# KiCad board temp sensor_panel.kicad_pcb (continued)
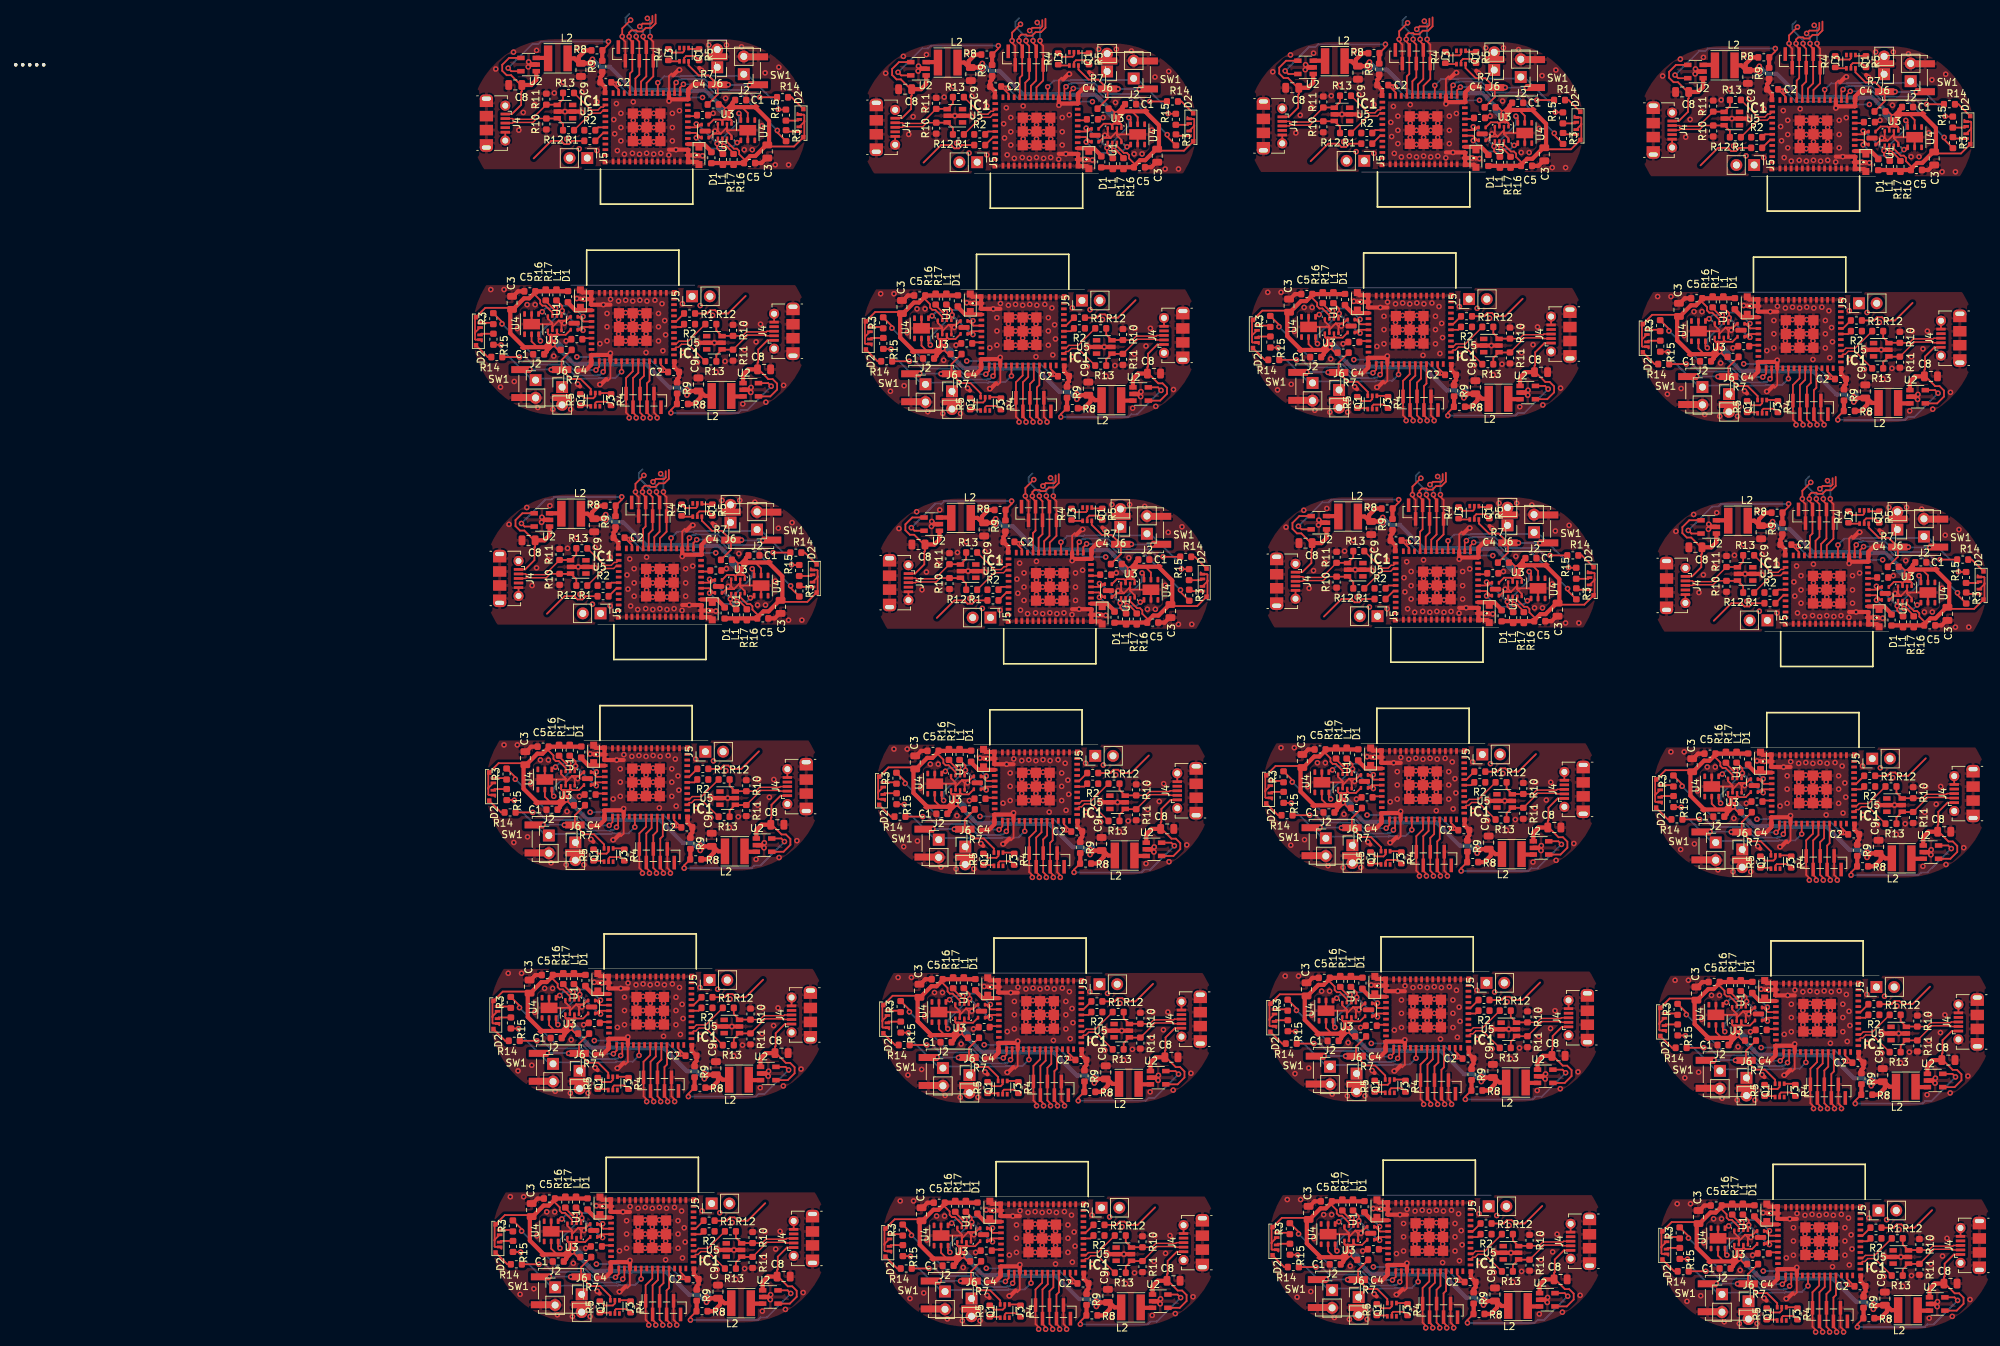
[diagram p0: board, top side]
## Routing (per net, layer and track width the routed paths; a pad name or vN(x,y) marks a point on that pad's centre or on a via; arc(x,y) is an arc through that point) (continued)
  Bottom w0.25: 64.38,168.37 v1(64.38,168.25) ; 175.58,167.97 v1(175.58,167.85) ; 119.78,168.57 v1(119.78,168.45) ; 66.28,103.17 v1(66.28,103.05) ; 177.48,102.77 v1(177.48,102.65) ; 121.68,103.37 v1(121.68,103.25) ; 10.48,103.77 v1(10.48,103.65) ; 8.58,168.97 v1(8.58,168.85)
  vias: v1(-11.43,130.26) v1(-10.72,161.84) v1(-10.03,116.3) v1(-9.53,130.26) v1(-9.53,65.06) v1(-8.93,32.37) v1(-8.82,96.64) v1(-8.63,0.37) v1(-8.18,164.26) v1(-8.07,117.1) v1(-8.13,51.09) v1(-7.62,124.68) v1(-7.63,65.06) v1(-7.53,18.4) v1(-7.41,153.08) v1(-7.23,-13.6) v1(-7.03,32.37) v1(-6.78,155.62) v1(-6.73,0.37) v1(-6.28,99.06) v1(-6.22,128.11) v1(-6.17,51.9) v1(-5.72,59.48) v1(-5.57,19.2) v1(-5.51,87.88) v1(-5.27,-12.8) v1(-5.26,153.08) v1(-5.13,156.76) v1(-5.08,128.11) v1(-5.12,26.78) v1(-4.87,164.51) v1(-4.88,90.42) v1(-4.82,-5.22) v1(-4.7,113.37) v1(-4.32,62.91) v1(-3.72,30.21) v1(-3.42,-1.79) v1(-3.36,87.88) v1(-3.23,91.56) v1(-3.18,62.91) v1(-2.97,99.31) v1(-2.8,48.17) v1(-2.58,30.21) v1(-2.54,113.12) v1(-2.41,120.74) v1(-2.33,158.41) v1(-2.28,-1.79) v1(-2.2,15.47) v1(-1.9,-16.53) v1(-1.06,159.94) v1(-0.81,155.75) v1(-0.64,122.9) v1(-0.64,47.92) v1(-0.56,151.81) v1(-0.51,55.54) v1(-0.43,93.21) v1(0,113.12) v1(-0.04,15.22) v1(0.09,22.84) v1(0.26,-16.78) v1(0.39,-9.16) v1(0.89,128.97) v1(0.84,94.74) v1(0.97,164.76) v1(1.09,90.55) v1(1.26,57.7) v1(1.34,86.61) v1(1.6,158.54) v1(1.9,47.92) v1(1.86,25) v1(2.16,-7) v1(2.5,15.22) v1(2.79,63.77) v1(2.8,-16.78) v1(2.87,99.56) v1(3.39,31.07) v1(3.5,93.34) v1(3.69,-0.93) v1(3.76,157.14) v1(3.76,150.16) v1(4.19,122.52) v1(5.21,126.84) v1(5.21,124.93) v1(5.21,122.9) v1(5.71,128.87) v1(5.66,91.94) v1(5.66,84.96) v1(6.09,57.32) v1(6.17,154.6) v1(6.3,152.57) v1(6.56,156.89) v1(6.68,150.16) v1(6.69,24.62) v1(6.86,128.61) v1(6.86,125.95) v1(6.86,123.91) v1(6.99,-7.38) v1(7.11,61.64) v1(7.11,59.73) v1(7.11,57.7) v1(7.19,155.49) v1(7.19,153.46) v1(7.19,151.56) v1(7.61,63.67) v1(7.7,149.65) v1(7.71,28.94) v1(7.71,27.03) v1(7.71,25) v1(7.87,128.74) v1(7.87,126.96) v1(7.87,124.93) v1(7.87,122.9) v1(8.01,-3.06) v1(8.01,-4.97) v1(8.01,-7) v1(8.07,89.4) v1(8.2,87.37) v1(8.21,30.97) v1(8.46,91.69) v1(8.51,-1.03) v1(8.58,84.96) v1(8.76,63.41) v1(8.76,60.75) v1(8.76,58.72) v1(8.84,149.78) v1(8.89,128.61) v1(8.89,125.95) v1(8.89,123.91) v1(8.97,157.14) v1(8.97,154.48) v1(8.97,152.44) v1(9.09,90.29) v1(9.09,88.26) v1(9.09,86.36) v1(9.36,30.71) v1(9.36,28.05) v1(9.36,26.01) v1(9.6,84.45) v1(9.66,-1.29) v1(9.66,-3.95) v1(9.66,-5.99) v1(9.77,63.54) v1(9.77,61.76) v1(9.77,59.73) v1(9.77,57.7) v1(9.86,155.49) v1(9.86,153.46) v1(9.86,151.43) v1(9.86,149.65) v1(9.91,128.74) v1(9.91,126.96) v1(9.91,124.93) v1(9.91,122.9) v1(10.37,30.84) v1(10.37,29.06) v1(10.37,27.03) v1(10.37,25) v1(10.67,-1.16) v1(10.67,-2.94) v1(10.67,-4.97) v1(10.67,-7) v1(10.79,125.95) v1(10.79,123.91) v1(10.79,121.25) v1(10.74,84.58) v1(10.79,63.41) v1(10.79,60.75) v1(10.79,58.72) v1(10.87,154.48) v1(10.87,152.44) v1(10.87,149.78) v1(10.92,128.61) v1(10.87,91.94) v1(10.87,89.28) v1(10.87,87.25) v1(11.39,30.71) v1(11.39,28.05) v1(11.39,26.01) v1(11.69,-1.29) v1(11.69,-3.95) v1(11.69,-5.99) v1(11.76,90.29) v1(11.76,88.26) v1(11.76,86.23) v1(11.76,84.45) v1(11.81,63.54) v1(11.81,61.76) v1(11.81,59.73) v1(11.81,57.7) v1(11.89,155.49) v1(11.89,153.46) v1(11.89,151.43) v1(11.89,149.65) v1(12.06,128.74) v1(12.38,111.9) v1(12.41,30.84) v1(12.41,29.06) v1(12.41,27.03) v1(12.41,25) v1(12.57,126.84) v1(12.57,124.93) v1(12.57,122.9) v1(12.69,60.75) v1(12.69,58.72) v1(12.69,56.05) v1(12.71,-1.16) v1(12.71,-2.94) v1(12.71,-4.97) v1(12.71,-7) v1(12.77,89.28) v1(12.77,87.25) v1(12.77,84.58) v1(12.82,63.41) v1(12.91,154.48) v1(12.91,152.44) v1(12.91,149.78) v1(13.08,128.23) v1(13.21,121.5) v1(13.29,28.05) v1(13.29,26.01) v1(13.29,23.35) v1(13.42,30.71) v1(13.46,125.82) v1(13.59,123.79) v1(13.59,-3.95) v1(13.59,-5.99) v1(13.59,-8.65) v1(13.72,-1.29) v1(13.79,90.29) v1(13.79,88.26) v1(13.79,86.23) v1(13.79,84.45) v1(13.96,63.54) v1(14.05,149.52) v1(14.28,46.7) v1(14.47,61.64) v1(14.47,59.73) v1(14.47,57.7) v1(14.56,155.49) v1(14.56,153.46) v1(14.56,151.56) v1(14.56,30.84) v1(14.81,89.28) v1(14.81,87.25) v1(14.81,84.58) v1(14.88,14) v1(14.86,-1.16) v1(14.98,63.03) v1(15.11,56.3) v1(15.07,28.94) v1(15.07,27.03) v1(15.07,25) v1(15.18,-18) v1(15.36,60.62) v1(15.37,-3.06) v1(15.37,-4.97) v1(15.37,-7) v1(15.49,58.59) v1(15.57,155.87) v1(15.58,30.33) v1(15.71,23.6) v1(15.88,-1.67) v1(16,128.23) v1(16,121.25) v1(15.95,84.32) v1(15.96,27.92) v1(16.01,-8.4) v1(16.09,25.89) v1(16.26,-4.08) v1(16.39,-6.11) v1(16.46,90.29) v1(16.46,88.26) v1(16.46,86.36) v1(17.47,90.67) v1(17.9,63.03) v1(17.9,56.05) v1(18.16,119.85) v1(18.5,30.33) v1(18.5,23.35) v1(18.8,113.63) v1(18.8,-1.67) v1(18.8,-8.65) v1(18.88,149.42) v1(19.76,165.27) v1(20.06,54.65) v1(20.32,126.58) v1(20.4,155.49) v1(20.57,122.64) v1(20.7,48.43) v1(20.66,21.95) v1(20.83,118.45) v1(20.77,84.22) v1(20.96,-10.05) v1(21.3,15.73) v1(21.6,-16.27) v1(21.66,100.07) v1(22.1,119.98) v1(22.18,157.65) v1(22.22,61.38) v1(22.3,165.27) v1(22.3,90.29) v1(22.47,57.44) v1(22.73,53.25) v1(22.82,28.68) v1(23.07,24.75) v1(23.12,-3.32) v1(23.33,20.55) v1(23.37,-7.25) v1(23.63,-11.45) v1(24,54.78) v1(24.08,92.45) v1(24.2,100.07) v1(24.46,165.02) v1(24.6,22.08) v1(24.64,113.88) v1(24.84,150.29) v1(24.89,121.63) v1(24.9,-9.92) v1(25.02,125.31) v1(25.99,150.29) v1(26.36,99.82) v1(26.54,122.77) v1(26.54,48.68) v1(26.74,85.09) v1(26.79,56.43) v1(26.92,60.11) v1(27.18,125.31) v1(27.14,15.98) v1(27.38,153.72) v1(27.39,23.73) v1(27.52,27.41) v1(27.44,-16.02) v1(27.69,-8.27) v1(27.83,161.3) v1(27.82,-4.59) v1(27.89,85.09) v1(27.94,114.14) v1(28.44,57.57) v1(29.08,60.11) v1(29.04,24.87) v1(29.29,148.13) v1(29.28,88.52) v1(29.34,-7.13) v1(29.68,27.41) v1(29.8,162.1) v1(29.73,96.1) v1(29.84,48.94) v1(29.98,-4.59) v1(30.48,116.55) v1(30.44,16.24) v1(30.74,-15.76) v1(31.19,148.13) v1(31.19,82.93) v1(31.7,96.9) v1(32.38,51.35) v1(32.98,18.65) v1(33.09,82.93) v1(33.28,-13.35) v1(44.37,129.66) v1(45.08,161.24) v1(45.77,115.69) v1(46.27,129.66) v1(46.27,64.47) v1(46.87,31.76) v1(46.98,96.04) v1(47.17,-0.24) v1(47.62,163.66) v1(47.67,50.5) v1(47.73,116.5) v1(48.18,124.08) v1(48.17,64.47) v1(48.27,17.79) v1(48.39,152.48) v1(48.57,-14.21) v1(48.77,31.76) v1(49.02,155.02) v1(49.08,-0.24) v1(49.52,98.46) v1(49.58,127.51) v1(49.63,51.3) v1(50.08,58.88) v1(50.29,87.28) v1(50.23,18.6) v1(50.55,152.48) v1(50.53,-13.4) v1(50.67,156.16) v1(50.72,127.51) v1(50.68,26.18) v1(50.93,163.91) v1(50.92,89.82) v1(50.98,-5.82) v1(51.1,112.77) v1(51.48,62.31) v1(52.08,29.61) v1(52.38,-2.39) v1(52.44,87.28) v1(52.57,90.96) v1(52.62,62.31) v1(52.83,98.71) v1(53,47.57) v1(53.22,29.61) v1(53.26,112.52) v1(53.39,120.14) v1(53.47,157.81) v1(53.52,-2.39) v1(53.6,14.87) v1(53.9,-17.13) v1(54.74,159.34) v1(54.99,155.15) v1(55.16,122.3) v1(55.16,47.32) v1(55.24,151.21) v1(55.29,54.94) v1(55.37,92.61) v1(55.8,112.52) v1(55.76,14.62) v1(55.89,22.24) v1(56.06,-17.38) v1(56.19,-9.76) v1(56.69,128.38) v1(56.64,94.14) v1(56.77,164.16) v1(56.89,89.95) v1(57.06,57.1) v1(57.14,86.01) v1(57.4,157.94) v1(57.7,47.32) v1(57.66,24.4) v1(57.97,-7.6) v1(58.3,14.62) v1(58.59,63.17) v1(58.6,-17.38) v1(58.67,98.96) v1(59.19,30.47) v1(59.3,92.74) v1(59.49,-1.53) v1(59.56,156.54) v1(59.56,149.56) v1(59.99,121.92) v1(61.01,126.24) v1(61.01,124.33) v1(61.01,122.3) v1(61.52,128.27) v1(61.46,91.34) v1(61.46,84.36) v1(61.89,56.72) v1(61.97,154) v1(62.1,151.97) v1(62.36,156.29) v1(62.48,149.56) v1(62.49,24.02) v1(62.66,128.01) v1(62.66,125.35) v1(62.66,123.31) v1(62.79,-7.98) v1(62.91,61.04) v1(62.91,59.13) v1(62.91,57.1) v1(62.99,154.89) v1(62.99,152.86) v1(62.99,150.96) v1(63.41,63.07) v1(63.5,149.05) v1(63.51,28.34) v1(63.51,26.43) v1(63.51,24.4) v1(63.67,128.14) v1(63.67,126.36) v1(63.67,124.33) v1(63.67,122.3) v1(63.81,-3.66) v1(63.81,-5.57) v1(63.81,-7.6) v1(63.88,88.8) v1(64,86.77) v1(64.02,30.37) v1(64.26,91.09) v1(64.31,-1.63) v1(64.38,84.36) v1(64.56,62.81) v1(64.56,60.15) v1(64.56,58.11) v1(64.64,149.18) v1(64.69,128.01) v1(64.69,125.35) v1(64.69,123.31) v1(64.77,156.54) v1(64.77,153.88) v1(64.77,151.84) v1(64.89,89.69) v1(64.89,87.66) v1(64.89,85.76) v1(65.16,30.11) v1(65.16,27.45) v1(65.16,25.41) v1(65.4,83.85) v1(65.46,-1.89) v1(65.46,-4.55) v1(65.46,-6.59) v1(65.57,62.94) v1(65.57,61.16) v1(65.57,59.13) v1(65.57,57.1) v1(65.66,154.89) v1(65.66,152.86) v1(65.66,150.83) v1(65.66,149.05) v1(65.71,128.14) v1(65.71,126.36) v1(65.71,124.33) v1(65.71,122.3) v1(66.17,30.24) v1(66.17,28.46) v1(66.17,26.43) v1(66.17,24.4) v1(66.47,-1.76) v1(66.47,-3.54) v1(66.47,-5.57) v1(66.47,-7.6) v1(66.59,125.35) v1(66.59,123.31) v1(66.59,120.65) v1(66.54,83.98) v1(66.59,62.81) v1(66.59,60.15) v1(66.59,58.11) v1(66.67,153.88) v1(66.67,151.84) v1(66.67,149.18) v1(66.72,128.01) v1(66.67,91.34) v1(66.67,88.68) v1(66.67,86.64) v1(67.19,30.11) v1(67.19,27.45) v1(67.19,25.41) v1(67.49,-1.89) v1(67.49,-4.55) v1(67.49,-6.59) v1(67.56,89.69) v1(67.56,87.66) v1(67.56,85.63) v1(67.56,83.85) v1(67.61,62.94) v1(67.61,61.16) v1(67.61,59.13) v1(67.61,57.1) v1(67.69,154.89) v1(67.69,152.86) v1(67.69,150.83) v1(67.69,149.05) v1(67.86,128.14) v1(68.18,111.3) v1(68.21,30.24) v1(68.21,28.46) v1(68.21,26.43) v1(68.21,24.4) v1(68.37,126.24) v1(68.37,124.33) v1(68.37,122.3) v1(68.49,60.15) v1(68.49,58.11) v1(68.49,55.45) v1(68.51,-1.76) v1(68.51,-3.54) v1(68.51,-5.57) v1(68.51,-7.6) v1(68.57,88.68) v1(68.57,86.64) v1(68.57,83.98) v1(68.62,62.81) v1(68.71,153.88) v1(68.71,151.84) v1(68.71,149.18) v1(68.88,127.63) v1(69.01,120.9) v1(69.09,27.45) v1(69.09,25.41) v1(69.09,22.75) v1(69.22,30.11) v1(69.26,125.22) v1(69.39,123.19) v1(69.39,-4.55) v1(69.39,-6.59) v1(69.39,-9.25) v1(69.52,-1.89) v1(69.59,89.69) v1(69.59,87.66) v1(69.59,85.63) v1(69.59,83.85) v1(69.77,62.94) v1(69.85,148.92) v1(70.08,46.1) v1(70.27,61.04) v1(70.27,59.13) v1(70.27,57.1) v1(70.36,154.89) v1(70.36,152.86) v1(70.36,150.96) v1(70.36,30.24) v1(70.61,88.68) v1(70.61,86.64) v1(70.61,83.98) v1(70.68,13.4) v1(70.66,-1.76) v1(70.78,62.43) v1(70.91,55.7) v1(70.87,28.34) v1(70.87,26.43) v1(70.87,24.4) v1(70.98,-18.6) v1(71.16,60.02) v1(71.17,-3.66) v1(71.17,-5.57) v1(71.17,-7.6) v1(71.29,57.99) v1(71.37,155.27) v1(71.38,29.73) v1(71.51,23) v1(71.68,-2.27) v1(71.8,127.63) v1(71.8,120.65) v1(71.75,83.72) v1(71.76,27.32) v1(71.81,-9) v1(71.89,25.29) v1(72.06,-4.68) v1(72.19,-6.71) v1(72.26,89.69) v1(72.26,87.66) v1(72.26,85.76) v1(73.27,90.07) v1(73.7,62.43) v1(73.7,55.45) v1(73.96,119.25) v1(74.3,29.73) v1(74.3,22.75) v1(74.6,113.03) v1(74.6,-2.27) v1(74.6,-9.25) v1(74.67,148.82) v1(75.56,164.67) v1(75.86,54.05) v1(76.12,125.98) v1(76.2,154.89) v1(76.37,122.04) v1(76.5,47.83) v1(76.46,21.35) v1(76.63,117.85) v1(76.58,83.62) v1(76.76,-10.65) v1(77.1,15.13) v1(77.4,-16.87) v1(77.46,99.47) v1(77.9,119.38) v1(77.98,157.05) v1(78.02,60.78) v1(78.1,164.67) v1(78.1,89.69) v1(78.27,56.84) v1(78.53,52.65) v1(78.62,28.08) v1(78.87,24.15) v1(78.92,-3.92) v1(79.13,19.95) v1(79.17,-7.85) v1(79.43,-12.05) v1(79.8,54.18) v1(79.88,91.85) v1(80,99.47) v1(80.26,164.42) v1(80.4,21.48) v1(80.44,113.28) v1(80.64,149.69) v1(80.69,121.03) v1(80.7,-10.52) v1(80.82,124.71) v1(81.79,149.69) v1(82.16,99.22) v1(82.34,122.17) v1(82.34,48.08) v1(82.54,84.49) v1(82.59,55.83) v1(82.72,59.51) v1(82.98,124.71) v1(82.94,15.38) v1(83.18,153.12) v1(83.19,23.13) v1(83.32,26.81) v1(83.24,-16.62) v1(83.49,-8.87) v1(83.63,160.7) v1(83.62,-5.19) v1(83.69,84.49) v1(83.74,113.54) v1(84.24,56.97) v1(84.88,59.51) v1(84.84,24.27) v1(85.09,147.53) v1(85.08,87.91) v1(85.14,-7.73) v1(85.48,26.81) v1(85.6,161.5) v1(85.53,95.5) v1(85.64,48.34) v1(85.78,-5.19) v1(86.28,115.95) v1(86.24,15.64) v1(86.54,-16.36) v1(86.99,147.53) v1(86.99,82.33) v1(87.5,96.3) v1(88.18,50.75) v1(88.78,18.05) v1(88.89,82.33) v1(89.08,-13.95) v1(99.77,129.87) v1(100.48,161.44) v1(101.17,115.89) v1(101.67,129.87) v1(101.67,64.66) v1(102.27,31.97) v1(102.38,96.24) v1(102.57,-0.03) v1(103.02,163.86) v1(103.13,116.7) v1(103.07,50.69) v1(103.58,124.28) v1(103.58,64.66) v1(103.67,18) v1(103.79,152.68) v1(103.97,-14) v1(104.17,31.97) v1(104.42,155.22) v1(104.48,-0.03) v1(104.92,98.66) v1(104.98,127.71) v1(105.03,51.5) v1(105.48,59.08) v1(105.63,18.8) v1(105.69,87.48) v1(105.95,152.68) v1(105.93,-13.2) v1(106.07,156.36) v1(106.12,127.71) v1(106.08,26.38) v1(106.33,164.11) v1(106.32,90.02) v1(106.38,-5.62) v1(106.5,112.97) v1(106.88,62.51) v1(107.48,29.81) v1(107.78,-2.19) v1(107.84,87.48) v1(107.97,91.16) v1(108.02,62.51) v1(108.23,98.91) v1(108.4,47.77) v1(108.62,29.81) v1(108.66,112.72) v1(108.79,120.34) v1(108.87,158.01) v1(108.92,-2.19) v1(109,15.07) v1(109.3,-16.93) v1(110.14,159.54) v1(110.39,155.35) v1(110.56,122.5) v1(110.56,47.52) v1(110.64,151.41) v1(110.69,55.14) v1(110.77,92.81) v1(111.2,112.72) v1(111.16,14.82) v1(111.29,22.44) v1(111.46,-17.18) v1(111.59,-9.56) v1(112.09,128.57) v1(112.04,94.34) v1(112.17,164.36) v1(112.29,90.15) v1(112.46,57.3) v1(112.54,86.21) v1(112.8,158.14) v1(113.1,47.52) v1(113.06,24.6) v1(113.36,-7.4) v1(113.7,14.82) v1(113.99,63.38) v1(114,-17.18) v1(114.07,99.16) v1(114.59,30.68) v1(114.7,92.94) v1(114.89,-1.32) v1(114.96,156.74) v1(114.96,149.76) v1(115.39,122.12) v1(116.41,126.44) v1(116.41,124.53) v1(116.41,122.5) v1(116.92,128.47) v1(116.86,91.54) v1(116.86,84.56) v1(117.29,56.92) v1(117.37,154.2) v1(117.5,152.17) v1(117.76,156.49) v1(117.88,149.76) v1(117.89,24.22) v1(118.06,128.21) v1(118.06,125.55) v1(118.06,123.52) v1(118.19,-7.78) v1(118.31,61.24) v1(118.31,59.33) v1(118.31,57.3) v1(118.39,155.09) v1(118.39,153.06) v1(118.39,151.16) v1(118.81,63.27) v1(118.9,149.25) v1(118.91,28.54) v1(118.91,26.63) v1(118.91,24.6) v1(119.07,128.34) v1(119.07,126.56) v1(119.07,124.53) v1(119.07,122.5) v1(119.21,-3.46) v1(119.21,-5.37) v1(119.21,-7.4) v1(119.27,89) v1(119.4,86.97) v1(119.42,30.57) v1(119.66,91.29) v1(119.71,-1.43) v1(119.78,84.56) v1(119.96,63.01) v1(119.96,60.35) v1(119.96,58.31) v1(120.04,149.38) v1(120.09,128.21) v1(120.09,125.55) v1(120.09,123.52) v1(120.17,156.74) v1(120.17,154.08) v1(120.17,152.04) v1(120.29,89.89) v1(120.29,87.86) v1(120.29,85.96) v1(120.56,30.31) v1(120.56,27.65) v1(120.56,25.62) v1(120.8,84.05) v1(120.86,-1.69) v1(120.86,-4.35) v1(120.86,-6.38) v1(120.97,63.14) v1(120.97,61.36) v1(120.97,59.33) v1(120.97,57.3) v1(121.06,155.09) v1(121.06,153.06) v1(121.06,151.03) v1(121.06,149.25) v1(121.11,128.34) v1(121.11,126.56) v1(121.11,124.53) v1(121.11,122.5) v1(121.57,30.44) v1(121.57,28.66) v1(121.57,26.63) v1(121.57,24.6) v1(121.87,-1.56) v1(121.87,-3.34) v1(121.87,-5.37) v1(121.87,-7.4) v1(121.99,125.55) v1(121.99,123.52) v1(121.99,120.85) v1(121.94,84.18) v1(121.99,63.01) v1(121.99,60.35) v1(121.99,58.31) v1(122.07,154.08) v1(122.07,152.04) v1(122.07,149.38) v1(122.12,128.21) v1(122.07,91.54) v1(122.07,88.88) v1(122.07,86.84) v1(122.59,30.31) v1(122.59,27.65) v1(122.59,25.62) v1(122.89,-1.69) v1(122.89,-4.35) v1(122.89,-6.38) v1(122.96,89.89) v1(122.96,87.86) v1(122.96,85.83) v1(122.96,84.05) v1(123.01,63.14) v1(123.01,61.36) v1(123.01,59.33) v1(123.01,57.3) v1(123.09,155.09) v1(123.09,153.06) v1(123.09,151.03) v1(123.09,149.25) v1(123.27,128.34) v1(123.58,111.5) v1(123.61,30.44) v1(123.61,28.66) v1(123.61,26.63) v1(123.61,24.6) v1(123.77,126.44) v1(123.77,124.53) v1(123.77,122.5) v1(123.89,60.35) v1(123.89,58.31) v1(123.89,55.65) v1(123.91,-1.56) v1(123.91,-3.34) v1(123.91,-5.37) v1(123.91,-7.4) v1(123.97,88.88) v1(123.97,86.84) v1(123.97,84.18) v1(124.02,63.01) v1(124.11,154.08) v1(124.11,152.04) v1(124.11,149.38) v1(124.28,127.83) v1(124.41,121.1) v1(124.49,27.65) v1(124.49,25.62) v1(124.49,22.95) v1(124.62,30.31) v1(124.66,125.42) v1(124.79,123.39) v1(124.8,-4.35) v1(124.8,-6.38) v1(124.8,-9.05) v1(124.92,-1.69) v1(124.99,89.89) v1(124.99,87.86) v1(124.99,85.83) v1(124.99,84.05) v1(125.17,63.14) v1(125.25,149.12) v1(125.48,46.3) v1(125.67,61.24) v1(125.67,59.33) v1(125.67,57.3) v1(125.76,155.09) v1(125.76,153.06) v1(125.76,151.16) v1(125.77,30.44) v1(126.01,88.88) v1(126.01,86.84) v1(126.01,84.18) v1(126.08,13.6) v1(126.06,-1.56) v1(126.18,62.63) v1(126.31,55.9) v1(126.27,28.54) v1(126.27,26.63) v1(126.27,24.6) v1(126.38,-18.4) v1(126.56,60.22) v1(126.57,-3.46) v1(126.57,-5.37) v1(126.57,-7.4) v1(126.69,58.19) v1(126.77,155.47) v1(126.78,29.93) v1(126.91,23.2) v1(127.08,-2.07) v1(127.2,127.83) v1(127.2,120.85) v1(127.15,83.92) v1(127.16,27.52) v1(127.21,-8.8) v1(127.29,25.49) v1(127.46,-4.48) v1(127.59,-6.51) v1(127.66,89.89) v1(127.66,87.86) v1(127.66,85.96) v1(128.67,90.27) v1(129.1,62.63) v1(129.1,55.65) v1(129.36,119.45) v1(129.7,29.93) v1(129.7,22.95) v1(130,113.23) v1(130,-2.07) v1(130,-9.05) v1(130.07,149.02) v1(130.96,164.87) v1(131.26,54.25) v1(131.52,126.18) v1(131.6,155.09) v1(131.77,122.25) v1(131.9,48.03) v1(131.86,21.55) v1(132.03,118.05) v1(131.98,83.82) v1(132.16,-10.45) v1(132.5,15.33) v1(132.8,-16.67) v1(132.86,99.67) v1(133.3,119.58) v1(133.38,157.25) v1(133.42,60.98) v1(133.5,164.87) v1(133.5,89.89) v1(133.67,57.05) v1(133.93,52.85) v1(134.02,28.28) v1(134.27,24.34) v1(134.32,-3.72) v1(134.53,20.15) v1(134.57,-7.66) v1(134.83,-11.85) v1(135.2,54.38) v1(135.28,92.05) v1(135.4,99.67) v1(135.66,164.62) v1(135.8,21.68) v1(135.84,113.48) v1(136.04,149.89) v1(136.09,121.23) v1(136.1,-10.32) v1(136.22,124.91) v1(137.19,149.89) v1(137.56,99.42) v1(137.74,122.37) v1(137.74,48.28) v1(137.94,84.69) v1(137.99,56.03) v1(138.12,59.71) v1(138.38,124.91) v1(138.34,15.58) v1(138.58,153.31) v1(138.59,23.33) v1(138.72,27.01) v1(138.64,-16.42) v1(138.89,-8.67) v1(139.03,160.9) v1(139.02,-4.99) v1(139.09,84.69) v1(139.14,113.74) v1(139.64,57.17) v1(140.28,59.71) v1(140.24,24.47) v1(140.49,147.73) v1(140.48,88.11) v1(140.54,-7.53) v1(140.88,27.01) v1(141,161.7) v1(140.93,95.7) v1(141.04,48.54) v1(141.18,-4.99) v1(141.68,116.15) v1(141.64,15.84) v1(141.94,-16.16) v1(142.39,147.73) v1(142.39,82.53) v1(142.9,96.5) v1(143.58,50.95) v1(144.18,18.25) v1(144.29,82.53) v1(144.48,-13.75) v1(155.57,129.26) v1(156.28,160.84) v1(156.97,115.3) v1(157.48,129.26) v1(157.47,64.06) v1(158.07,31.37) v1(158.18,95.64) v1(158.37,-0.63) v1(158.82,163.26) v1(158.87,50.09) v1(158.93,116.1) v1(159.38,123.68) v1(159.38,64.06) v1(159.47,17.4) v1(159.59,152.08) v1(159.77,-14.6) v1(159.98,31.37) v1(160.22,154.62) v1(160.27,-0.63) v1(160.72,98.06) v1(160.78,127.11) v1(160.83,50.9) v1(161.28,58.48) v1(161.49,86.88) v1(161.43,18.2) v1(161.73,-13.8) v1(161.75,152.08) v1(161.87,155.76) v1(161.92,127.11) v1(161.88,25.78) v1(162.13,163.51) v1(162.12,89.42) v1(162.18,-6.22) v1(162.3,112.37) v1(162.68,61.91) v1(163.28,29.21) v1(163.58,-2.79) v1(163.64,86.88) v1(163.77,90.56) v1(163.82,61.91) v1(164.03,98.31) v1(164.2,47.17) v1(164.42,29.21) v1(164.46,112.12) v1(164.59,119.74) v1(164.67,157.41) v1(164.72,-2.79) v1(164.8,14.47) v1(165.1,-17.53) v1(165.94,158.94) v1(166.19,154.75) v1(166.37,121.9) v1(166.36,46.92) v1(166.44,150.81) v1(166.49,54.54) v1(166.57,92.21) v1(167,112.12) v1(166.96,14.22) v1(167.09,21.84) v1(167.26,-17.78) v1(167.39,-10.16) v1(167.89,127.97) v1(167.84,93.74) v1(167.97,163.76) v1(168.09,89.55) v1(168.26,56.7) v1(168.34,85.61) v1(168.6,157.54) v1(168.9,46.92) v1(168.87,24) v1(169.17,-8) v1(169.5,14.22) v1(169.79,62.77) v1(169.8,-17.78) v1(169.87,98.56) v1(170.39,30.07) v1(170.5,92.34) v1(170.69,-1.93) v1(170.76,156.14) v1(170.76,149.16) v1(171.19,121.52) v1(172.21,125.84) v1(172.21,123.93) v1(172.21,121.9) v1(172.71,127.87) v1(172.66,90.94) v1(172.66,83.96) v1(173.09,56.32) v1(173.18,153.6) v1(173.3,151.57) v1(173.56,155.89) v1(173.68,149.16) v1(173.69,23.62) v1(173.86,127.61) v1(173.86,124.95) v1(173.86,122.91) v1(173.99,-8.38) v1(174.11,60.64) v1(174.11,58.73) v1(174.11,56.7) v1(174.19,154.49) v1(174.19,152.46) v1(174.19,150.56) v1(174.62,62.67) v1(174.7,148.65) v1(174.71,27.94) v1(174.71,26.03) v1(174.71,24) v1(174.87,127.74) v1(174.87,125.96) v1(174.87,123.93) v1(174.87,121.9) v1(175.01,-4.06) v1(175.01,-5.97) v1(175.01,-8) v1(175.07,88.4) v1(175.2,86.37) v1(175.21,29.97) v1(175.46,90.69) v1(175.51,-2.03) v1(175.58,83.96) v1(175.76,62.41) v1(175.76,59.75) v1(175.76,57.72) v1(175.84,148.78) v1(175.89,127.61) v1(175.89,124.95) v1(175.89,122.91) v1(175.97,156.14) v1(175.97,153.48) v1(175.97,151.44) v1(176.09,89.29) v1(176.09,87.26) v1(176.09,85.36) v1(176.36,29.71) v1(176.36,27.05) v1(176.36,25.01) v1(176.6,83.45) v1(176.66,-2.29) v1(176.66,-4.95) v1(176.66,-6.99) v1(176.77,62.54) v1(176.77,60.76) v1(176.77,58.73) v1(176.77,56.7) v1(176.86,154.49) v1(176.86,152.46) v1(176.86,150.43) v1(176.86,148.65) v1(176.91,127.74) v1(176.91,125.96) v1(176.91,123.93) v1(176.91,121.9) v1(177.37,29.84) v1(177.37,28.06) v1(177.37,26.03) v1(177.37,24) v1(177.67,-2.16) v1(177.67,-3.94) v1(177.67,-5.97) v1(177.67,-8) v1(177.8,124.95) v1(177.8,122.91) v1(177.8,120.25) v1(177.74,83.58) v1(177.79,62.41) v1(177.79,59.75) v1(177.79,57.72) v1(177.87,153.48) v1(177.87,151.44) v1(177.87,148.78) v1(177.92,127.61) v1(177.87,90.94) v1(177.87,88.28) v1(177.87,86.25) v1(178.39,29.71) v1(178.39,27.05) v1(178.39,25.01) v1(178.69,-2.29) v1(178.69,-4.95) v1(178.69,-6.99) v1(178.76,89.29) v1(178.76,87.26) v1(178.76,85.23) v1(178.76,83.45) v1(178.81,62.54) v1(178.81,60.76) v1(178.81,58.73) v1(178.81,56.7) v1(178.89,154.49) v1(178.89,152.46) v1(178.89,150.43) v1(178.89,148.65) v1(179.06,127.74) v1(179.38,110.9) v1(179.41,29.84) v1(179.41,28.06) v1(179.41,26.03) v1(179.41,24) v1(179.57,125.84) v1(179.57,123.93) v1(179.57,121.9) v1(179.69,59.75) v1(179.69,57.72) v1(179.69,55.05) v1(179.71,-2.16) v1(179.71,-3.94) v1(179.71,-5.97) v1(179.71,-8) v1(179.77,88.28) v1(179.77,86.25) v1(179.77,83.58) v1(179.82,62.41) v1(179.91,153.48) v1(179.91,151.44) v1(179.91,148.78) v1(180.08,127.23) v1(180.21,120.5) v1(180.3,27.05) v1(180.3,25.01) v1(180.3,22.35) v1(180.42,29.71) v1(180.46,124.82) v1(180.59,122.79) v1(180.59,-4.95) v1(180.59,-6.99) v1(180.59,-9.65) v1(180.72,-2.29) v1(180.79,89.29) v1(180.79,87.26) v1(180.79,85.23) v1(180.79,83.45) v1(180.96,62.54) v1(181.05,148.52) v1(181.28,45.7) v1(181.47,60.64) v1(181.47,58.73) v1(181.47,56.7) v1(181.56,154.49) v1(181.56,152.46) v1(181.56,150.56) v1(181.56,29.84) v1(181.81,88.28) v1(181.81,86.25) v1(181.81,83.58) v1(181.88,13) v1(181.87,-2.16) v1(181.98,62.03) v1(182.11,55.3) v1(182.07,27.94) v1(182.07,26.03) v1(182.07,24) v1(182.18,-19) v1(182.36,59.62) v1(182.37,-4.06) v1(182.37,-5.97) v1(182.37,-8) v1(182.49,57.59) v1(182.57,154.87) v1(182.58,29.33) v1(182.71,22.6) v1(182.88,-2.67) v1(183,127.23) v1(183,120.25) v1(182.95,83.32) v1(182.96,26.92) v1(183.01,-9.4) v1(183.09,24.89) v1(183.26,-5.08) v1(183.39,-7.11) v1(183.46,89.29) v1(183.46,87.26) v1(183.46,85.36) v1(184.47,89.67) v1(184.9,62.03) v1(184.9,55.05) v1(185.16,118.85) v1(185.5,29.33) v1(185.5,22.35) v1(185.8,112.63) v1(185.8,-2.67) v1(185.8,-9.65) v1(185.88,148.42) v1(186.76,164.27) v1(187.06,53.65) v1(187.32,125.58) v1(187.4,154.49) v1(187.57,121.64) v1(187.7,47.43) v1(187.66,20.95) v1(187.83,117.45) v1(187.77,83.22) v1(187.96,-11.05) v1(188.3,14.73) v1(188.6,-17.27) v1(188.66,99.07) v1(189.1,118.98) v1(189.18,156.65) v1(189.22,60.38) v1(189.3,164.27) v1(189.3,89.29) v1(189.47,56.44) v1(189.73,52.25) v1(189.82,27.68) v1(190.07,23.75) v1(190.12,-4.32) v1(190.33,19.55) v1(190.37,-8.25) v1(190.63,-12.45) v1(191,53.78) v1(191.08,91.45) v1(191.2,99.07) v1(191.46,164.02) v1(191.6,21.08) v1(191.64,112.88) v1(191.84,149.29) v1(191.89,120.63) v1(191.9,-10.92) v1(192.02,124.31) v1(192.99,149.29) v1(193.36,98.82) v1(193.54,121.77) v1(193.54,47.68) v1(193.74,84.09) v1(193.79,55.43) v1(193.92,59.11) v1(194.18,124.31) v1(194.14,14.98) v1(194.38,152.72) v1(194.39,22.73) v1(194.52,26.41) v1(194.44,-17.02) v1(194.69,-9.27) v1(194.82,-5.59) v1(194.83,160.3) v1(194.89,84.09) v1(194.94,113.14) v1(195.44,56.57) v1(196.08,59.11) v1(196.04,23.87) v1(196.29,147.13) v1(196.28,87.52) v1(196.34,-8.13) v1(196.73,95.1) v1(196.68,26.41) v1(196.8,161.1) v1(196.84,47.94) v1(196.98,-5.59) v1(197.48,115.55) v1(197.44,15.24) v1(197.74,-16.76) v1(198.19,147.13) v1(198.19,81.93) v1(198.7,95.9) v1(199.38,50.35) v1(199.98,17.65) v1(200.09,81.93) v1(200.28,-14.35)
